# Altium PCB PCB1.PcbDoc
Units mm, origin at the board's own origin, x right, y up, seen from the top; angles counter-clockwise.
Board outline 101.6 x 71.12 mm, 4 copper layers (Top Layer, Layer 1 (GND), Layer 2 (Power), Bottom Layer), stack 1.586 mm thick; 32 components, 35 nets, 196 pads, 30 vias.
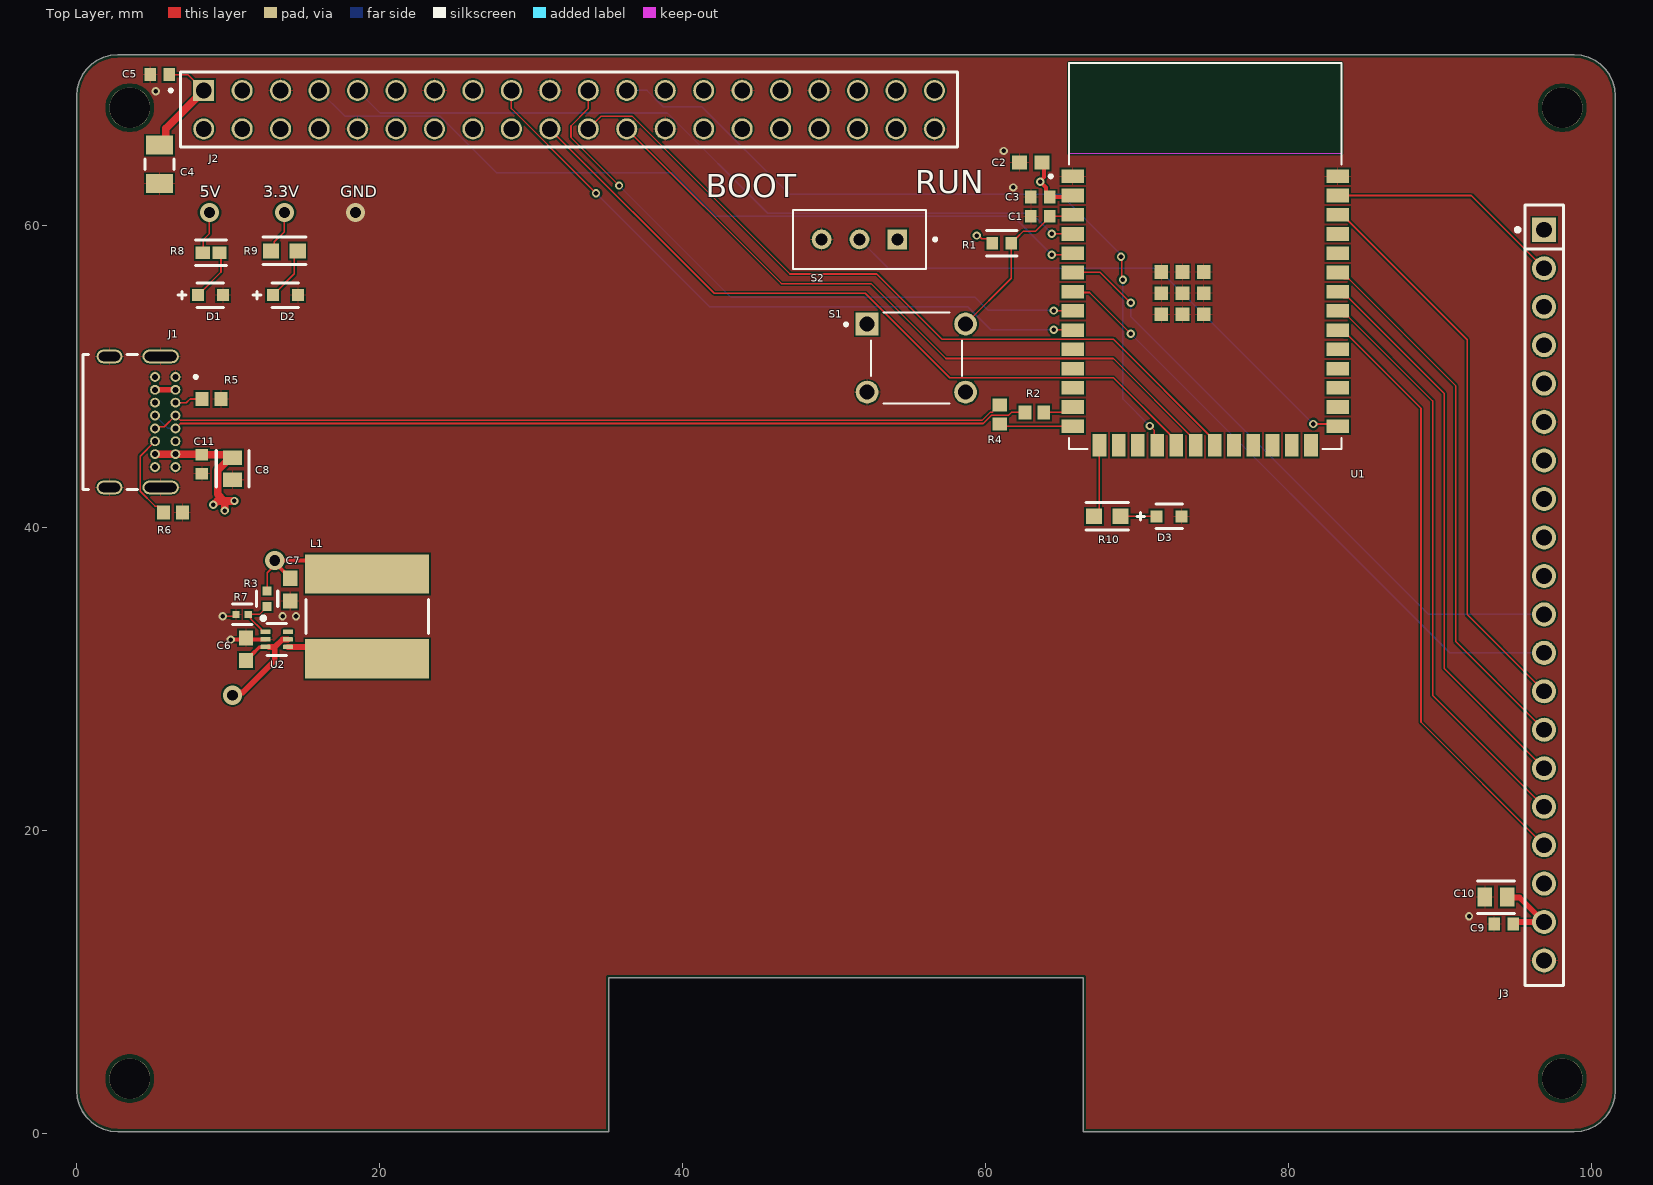
[diagram p0: Top Layer view]
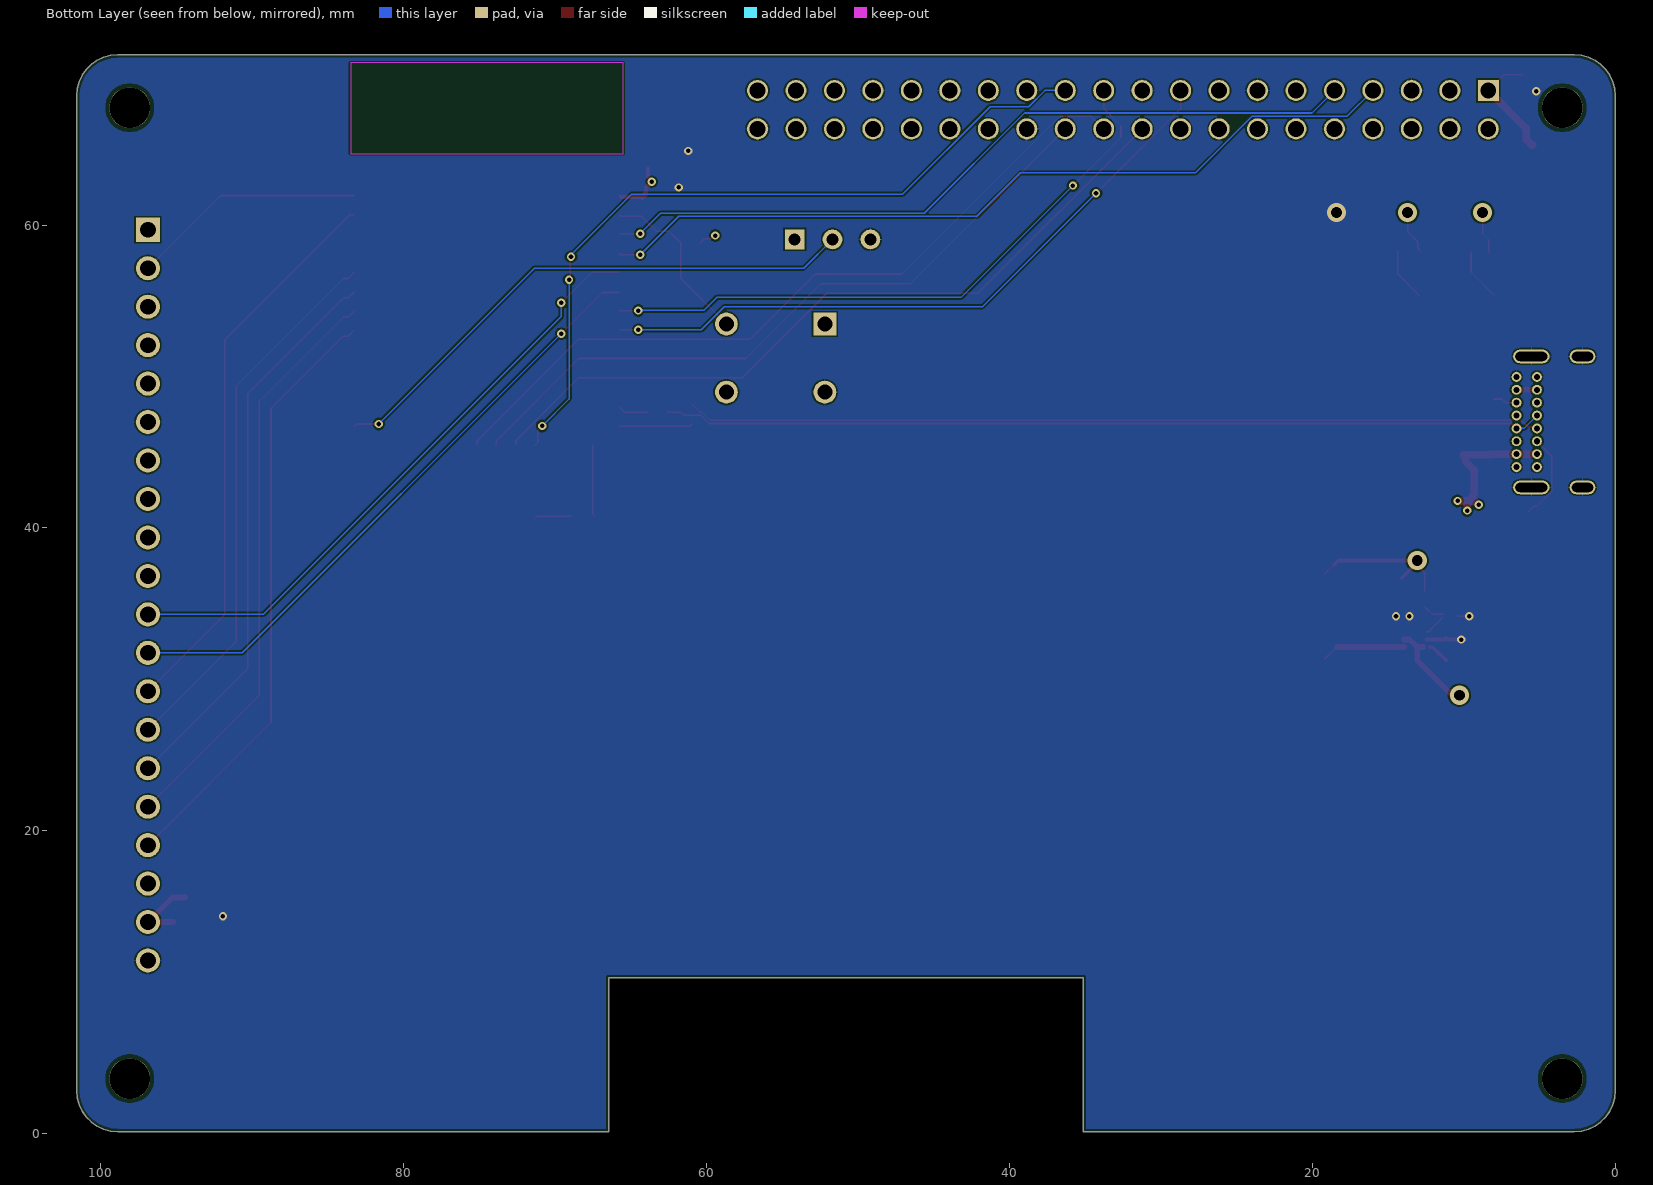
[diagram p1: Bottom Layer view, seen from below]
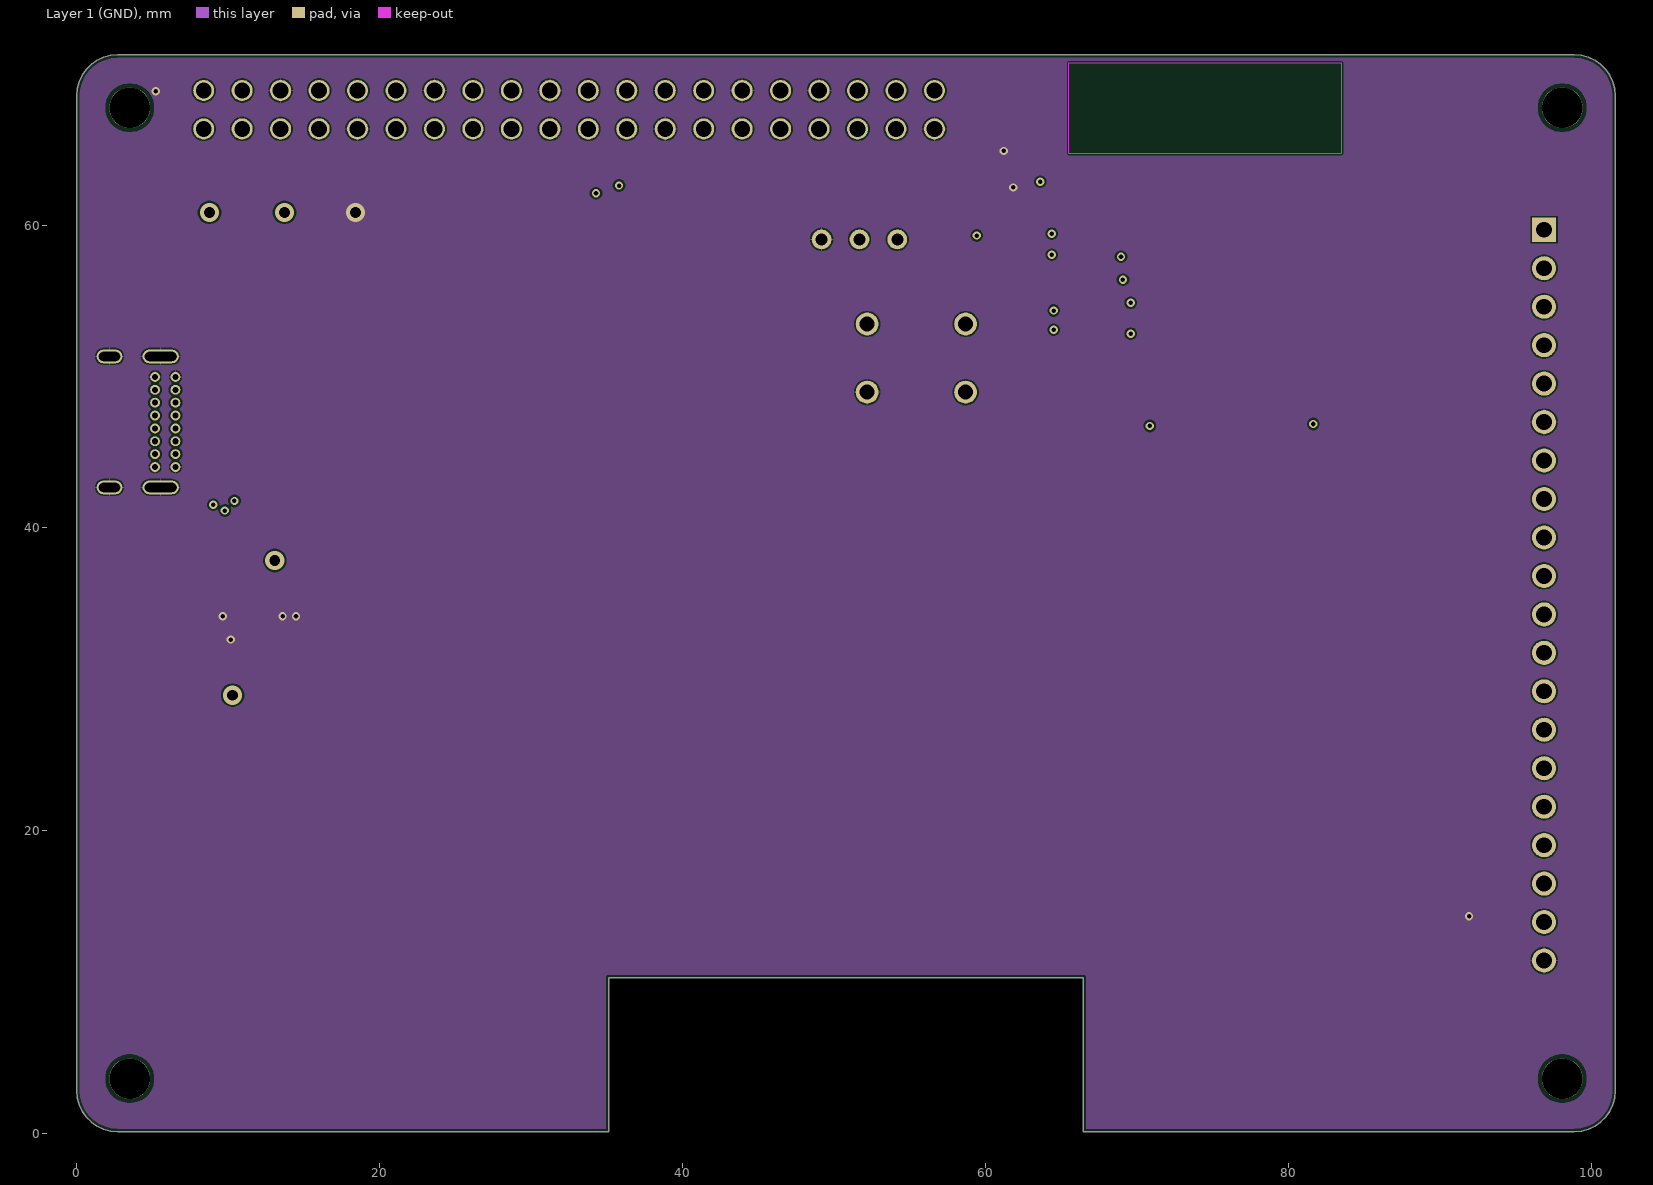
[diagram p2: Layer 1 (GND)]
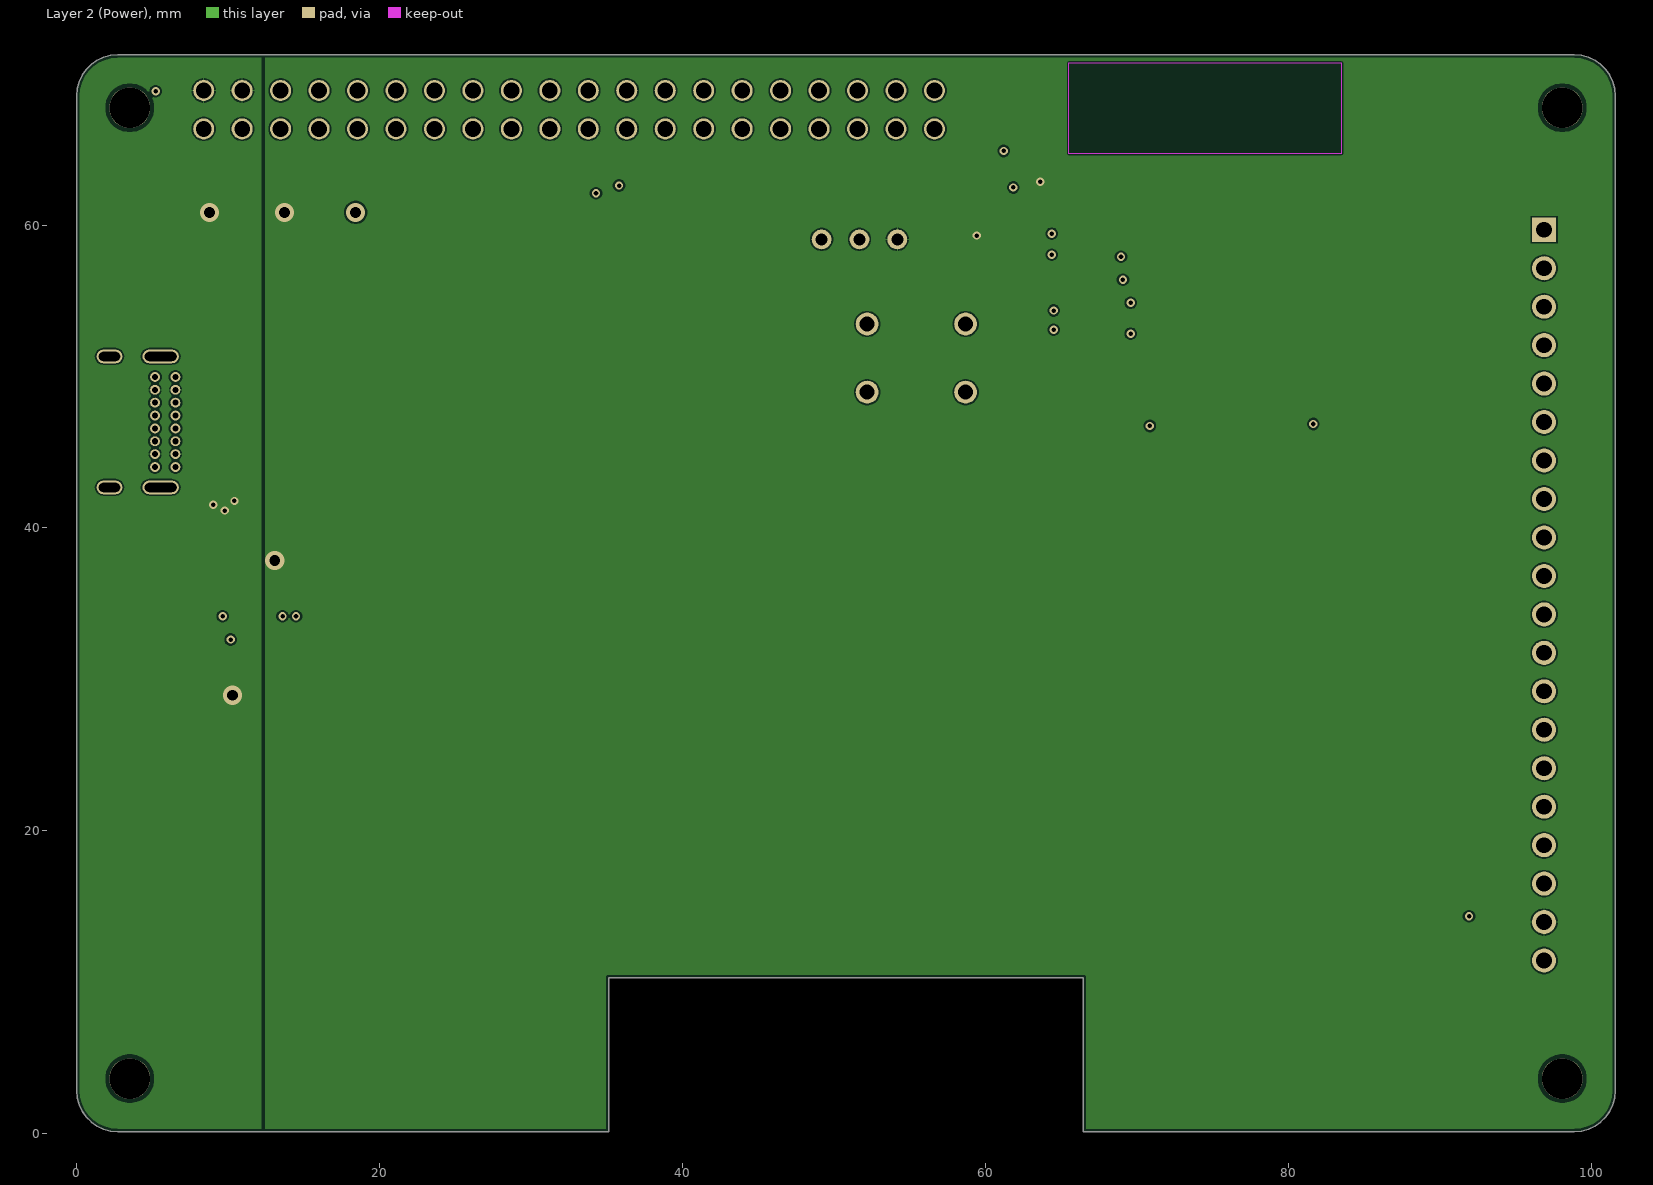
[diagram p3: Layer 2 (Power)]
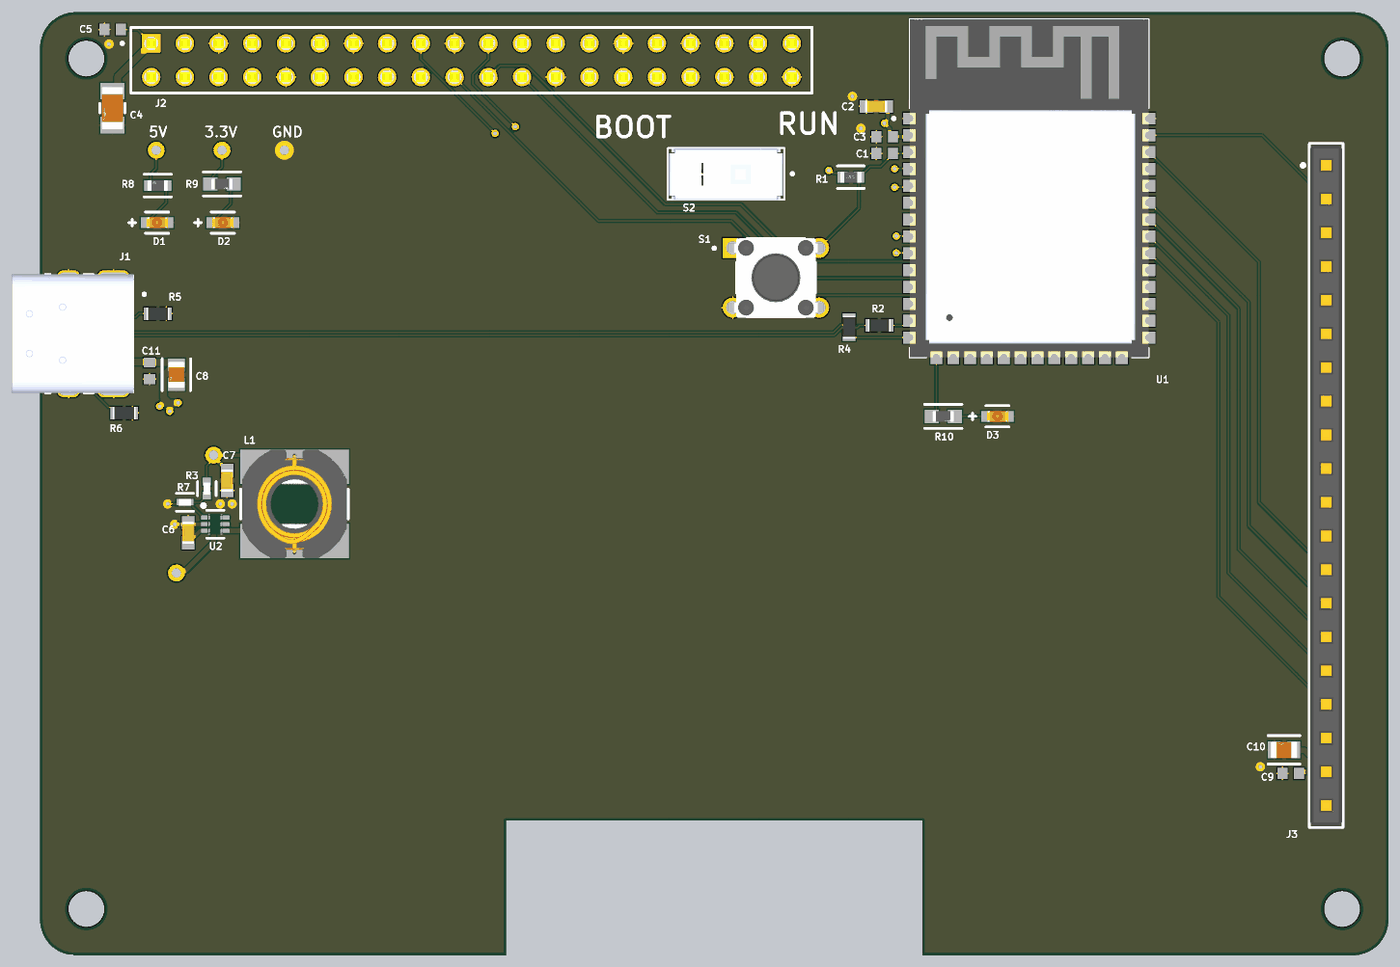
[diagram p4: 3D render of the assembled board from above, using the file's embedded part models]

## Layer stack, top to bottom
Top Solder: solder mask 0.0102, Solder Resist, Dk 3.5
Top Layer: signal copper 0.035
Dielectric 2: prepreg 0.2104, 7628, Dk 3.9
Layer 1 (GND): signal copper 0.0152
Core: core 1.065, FR-4, Dk 4.8
Layer 2 (Power): signal copper 0.0152
Dielectric 3: prepreg 0.2104, 7628, Dk 3.9
Bottom Layer: signal copper 0.035
Bottom Solder: solder mask 0.0102, Solder Resist, Dk 3.5

## Board outline
66.475,10.287 66.475,0.127 98.9,0.127 99.369,0.168 99.823,0.29 100.25,0.489 100.636,0.759 100.968,1.091 101.238,1.477 101.437,1.904 101.559,2.358 101.6,2.827 101.6,68.547 101.559,69.016 101.437,69.47 101.238,69.897 100.968,70.283 100.636,70.615 100.25,70.885 99.823,71.084 99.369,71.206 98.9,71.247 2.7,71.247 2.231,71.206 1.777,71.084 1.35,70.885 0.964,70.615 0.632,70.283 0.362,69.897 0.163,69.47 0.041,69.016 0,68.547 0,2.827 0.041,2.358 0.163,1.904 0.362,1.477 0.632,1.091 0.964,0.759 1.35,0.489 1.777,0.29 2.231,0.168 2.7,0.127 35.125,0.127 35.125,10.287

## Design rules (kind name [scope] priority, off if disabled: settings)
BoardOutlineClearance [All] p1: gap=0.2 ignorepadtopadclearanceinfootprint=FALSE
Clearance [All] p1: gap=0.102 ignorepadtopadclearanceinfootprint=FALSE except(0.127: Arc-Via Track-Via SMDPad-Via THPad-Via Via-Via Via-Fill Via-Poly Via-Region Via-Text; 0.25: Arc-Hole Track-Hole SMDPad-Hole THPad-Hole Via-Hole Fill-Hole Poly-Hole Region-Hole Text-Hole)
ComponentClearance [All] p1: gap=0.102 collisioncheckmode=3 verticalgap=0.102 showdistances=TRUE
DiffPairsRouting [All] p1: maxlimit=0.102 minlimit=0.102 mostfreqgap=0.102 toplayer_minwidth=0.102 toplayer_maxwidth=1816.048 toplayer_prefwidth=0.102 midlayer1_minwidth=0.102 midlayer1_maxwidth=1816.048 midlayer1_prefwidth=0.102 midlayer2_minwidth=0.102 midlayer2_maxwidth=1816.048 midlayer2_prefwidth=0.102 bottomlayer_minwidth=0.102 bottomlayer_maxwidth=1816.048 bottomlayer_prefwidth=0.102 maxuncoupledlength=12.7
Height [All] p1: minheight=0 maxheight=1816.048 prefheight=12.7
HoleSize [All] p1: absolutevalues=TRUE maxlimit=6.3 minlimit=0.2 maxpercent=80.000 minpercent=20.000
HoleToHoleClearance [All] p1: gap=0.25 allowstackedmicrovias=FALSE
MinimumAnnularRing [All] p1: minimumring=0.076
MinimumSolderMaskSliver [All] p1: minsoldermaskwidth=0
PlaneClearance [All] p1: clearance=0.102
PlaneConnect PlaneConnectPowerPads [InPadClass('PowerPads')] p1: planeconnectstyle=Direct reliefexpansion=0.508 reliefentries=4 reliefconductorwidth=0.254 reliefairgap=0.254
PlaneConnect [All] p2: pad.planeconnectstyle=Relief pad.reliefexpansion=0.3 pad.reliefentries=4 pad.reliefconductorwidth=0.102 pad.reliefairgap=0.102 via.planeconnectstyle=Direct via.reliefexpansion=0.3 via.reliefentries=4 via.reliefconductorwidth=0.127 via.reliefairgap=0.127
PolygonConnect PolygonConnectPowerPads [All vs (InPadClass('PowerPads'))] p1: connectstyle=Direct reliefconductorwidth=0.254 reliefentries=4 polygonreliefangle="90 Angle" airgapwidth=0.254
PolygonConnect [All] p2: thpad.connectstyle=Relief thpad.reliefconductorwidth=0.102 thpad.reliefentries=4 thpad.polygonreliefangle="90 Angle" thpad.airgapwidth=0.102 smdpad.connectstyle=Relief smdpad.reliefconductorwidth=0.102 smdpad.reliefentries=4 smdpad.polygonreliefangle="90 Angle" smdpad.airgapwidth=0.102 via.connectstyle=Direct via.reliefconductorwidth=0.127 via.reliefentries=4 via.polygonreliefangle="90 Angle" via.airgapwidth=0.127
RoutingVias [All] p1: holewidth=0.2 width=0.45 viastyle="Through Hole" minholewidth=0.2 minwidth=0.45 maxholewidth=6.3 maxwidth=6.55
SilkToSilkClearance [All] p1: silktosilkclearance=0
SilkToSolderMaskClearance [IsPad] p1: minsilkscreentomaskgap=0.102 clearancetoexposedcopper=TRUE
SolderMaskExpansion [All] p1: expansion=0.075 istentingtop=FALSE
SupplyNets "Schematic Supply Nets_4" [InNet('3.3V')] p1: voltage=0.000
SupplyNets "Schematic Supply Nets_2" [InNet('5V')] p2: voltage=0.000
SupplyNets "Schematic Supply Nets_1" [InNet('GND')] p3: voltage=0.000
Width [All] p1: maxlimit=1816.048 minlimit=0.102 preferedwidth=0.102
20 further rules are at their usual default settings.

## Classes and differential pairs
component class TLV62569: C6 C7 L1 R3 R7 U2
component class MCU: C1 C2 C3 R1 R2 R4 S1 S2 U1
component class LEDs: D1 D2 D3 R8 R9 R10
component class Connectors: C4 C5 C8 C9 C10 C11 J1 J2 J3 R5 R6
differential pair USB_D: +USB_D_P -USB_D_N

## Components (designator, comment, footprint, x,y, rotation, side; value= is the part's Value field where it differs from the comment)
C1 "100nF" CAPC1608X90X35LL10T15 63.637,60.579 r0 top
C2 "22uF" CAPC1608X09N 63.004,64.135 r0 top value=22µF
C3 "100nF" CAPC1608X90X35LL10T15 63.637,61.849 r0 top
C4 "47uF" FP-GRM31C-0_3-e0_3_0_8-IPC_C 5.461,64.008 r270 top
C5 "100nF" CAPC1608X90X35LL10T15 5.477,69.936 r0 top
C6 "4.7uF" CAPC1608X09N 11.176,31.992 r270 top value=4.7µF
C7 "22uF" CAPC1608X09N 14.097,35.929 r90 top value=22µF
C8 "10uF" FP-GRM21B-0_1-IPC_C 10.287,43.907 r270 top
C9 "100nF" CAPC1608X90X35LL10T15 94.234,13.843 r0 top
C10 "10uF" FP-GRM21B-0_1-IPC_C 93.726,15.621 r180 top
C11 "100nF" CAPC1608X90X35LL10T15 8.255,44.206 r90 top
D1 "RED LED" FP-APTD1608SEC-J3-MFG 8.826,55.372 r180 top
D2 "RED LED" FP-APTD1608SEC-J3-MFG 13.779,55.372 r180 top
D3 "RED LED" FP-APTD1608SEC-J3-MFG 72.136,40.767 r180 top
J1 "USB4085-GF-A_REVB" GCT_USB4085-GF-A_REVB 2.159,46.997 r270 top
J2 "SSW-120-02-T-D" SAMTEC_SSW-120-02-T-D 8.382,68.89 r180 top
J3 "SSW-120-01-G-S" FP-SSW-120-01-G-S-MFG 96.901,35.56 r270 top locked
L1 "1uH" FP-SRN8040-MFG 19.177,34.157 r90 top
R1 "10k" FP-CRGP0603-IPC_C 61.087,58.801 r0 top value=10KΩ
R2 "22.6" RESC1608X06N 63.236,47.625 r180 top value=22.6R
R3 "453k" FP-CRCW0402-e3-MFG 12.573,35.323 r90 top
R4 "22.6" RESC1608X06N 60.96,47.498 r90 top value=22.6R
R5 "5.11k" RESC1608X06N 8.89,48.514 r0 top value=5.11K
R6 "5.11k" RESC1608X06N 6.35,41.021 r0 top value=5.11K
R7 "100k" FP-CRCW0402-e3-IPC_C 10.922,34.29 r0 top
R8 "1k" FP-RNCP0603-IPC_C 8.873,58.166 r0 top
R9 "470" FP-AC0603-IPC_A 13.716,58.293 r0 top
R10 "470" FP-AC0603-IPC_A 68.055,40.767 r0 top
S1 "BUTTON" SW_TS02-66-43-BK-100-SCR-D 55.447,51.217 r0 top
S2 "SLIDE SWITCH" SW_SLW-883935-2A-D 51.689,59.055 r180 top
U1 "ESP32-S3-WROOM-1-N8R8" XCVR_ESP32S3WROOM1N8R8 74.522,57.962 r0 top
U2 "TLV62569ADRLR" FP-DRL0006A-MFG 13.208,32.639 r0 top
